# Allegro board BeagleBoard-X15_RevA2.brd (continued)
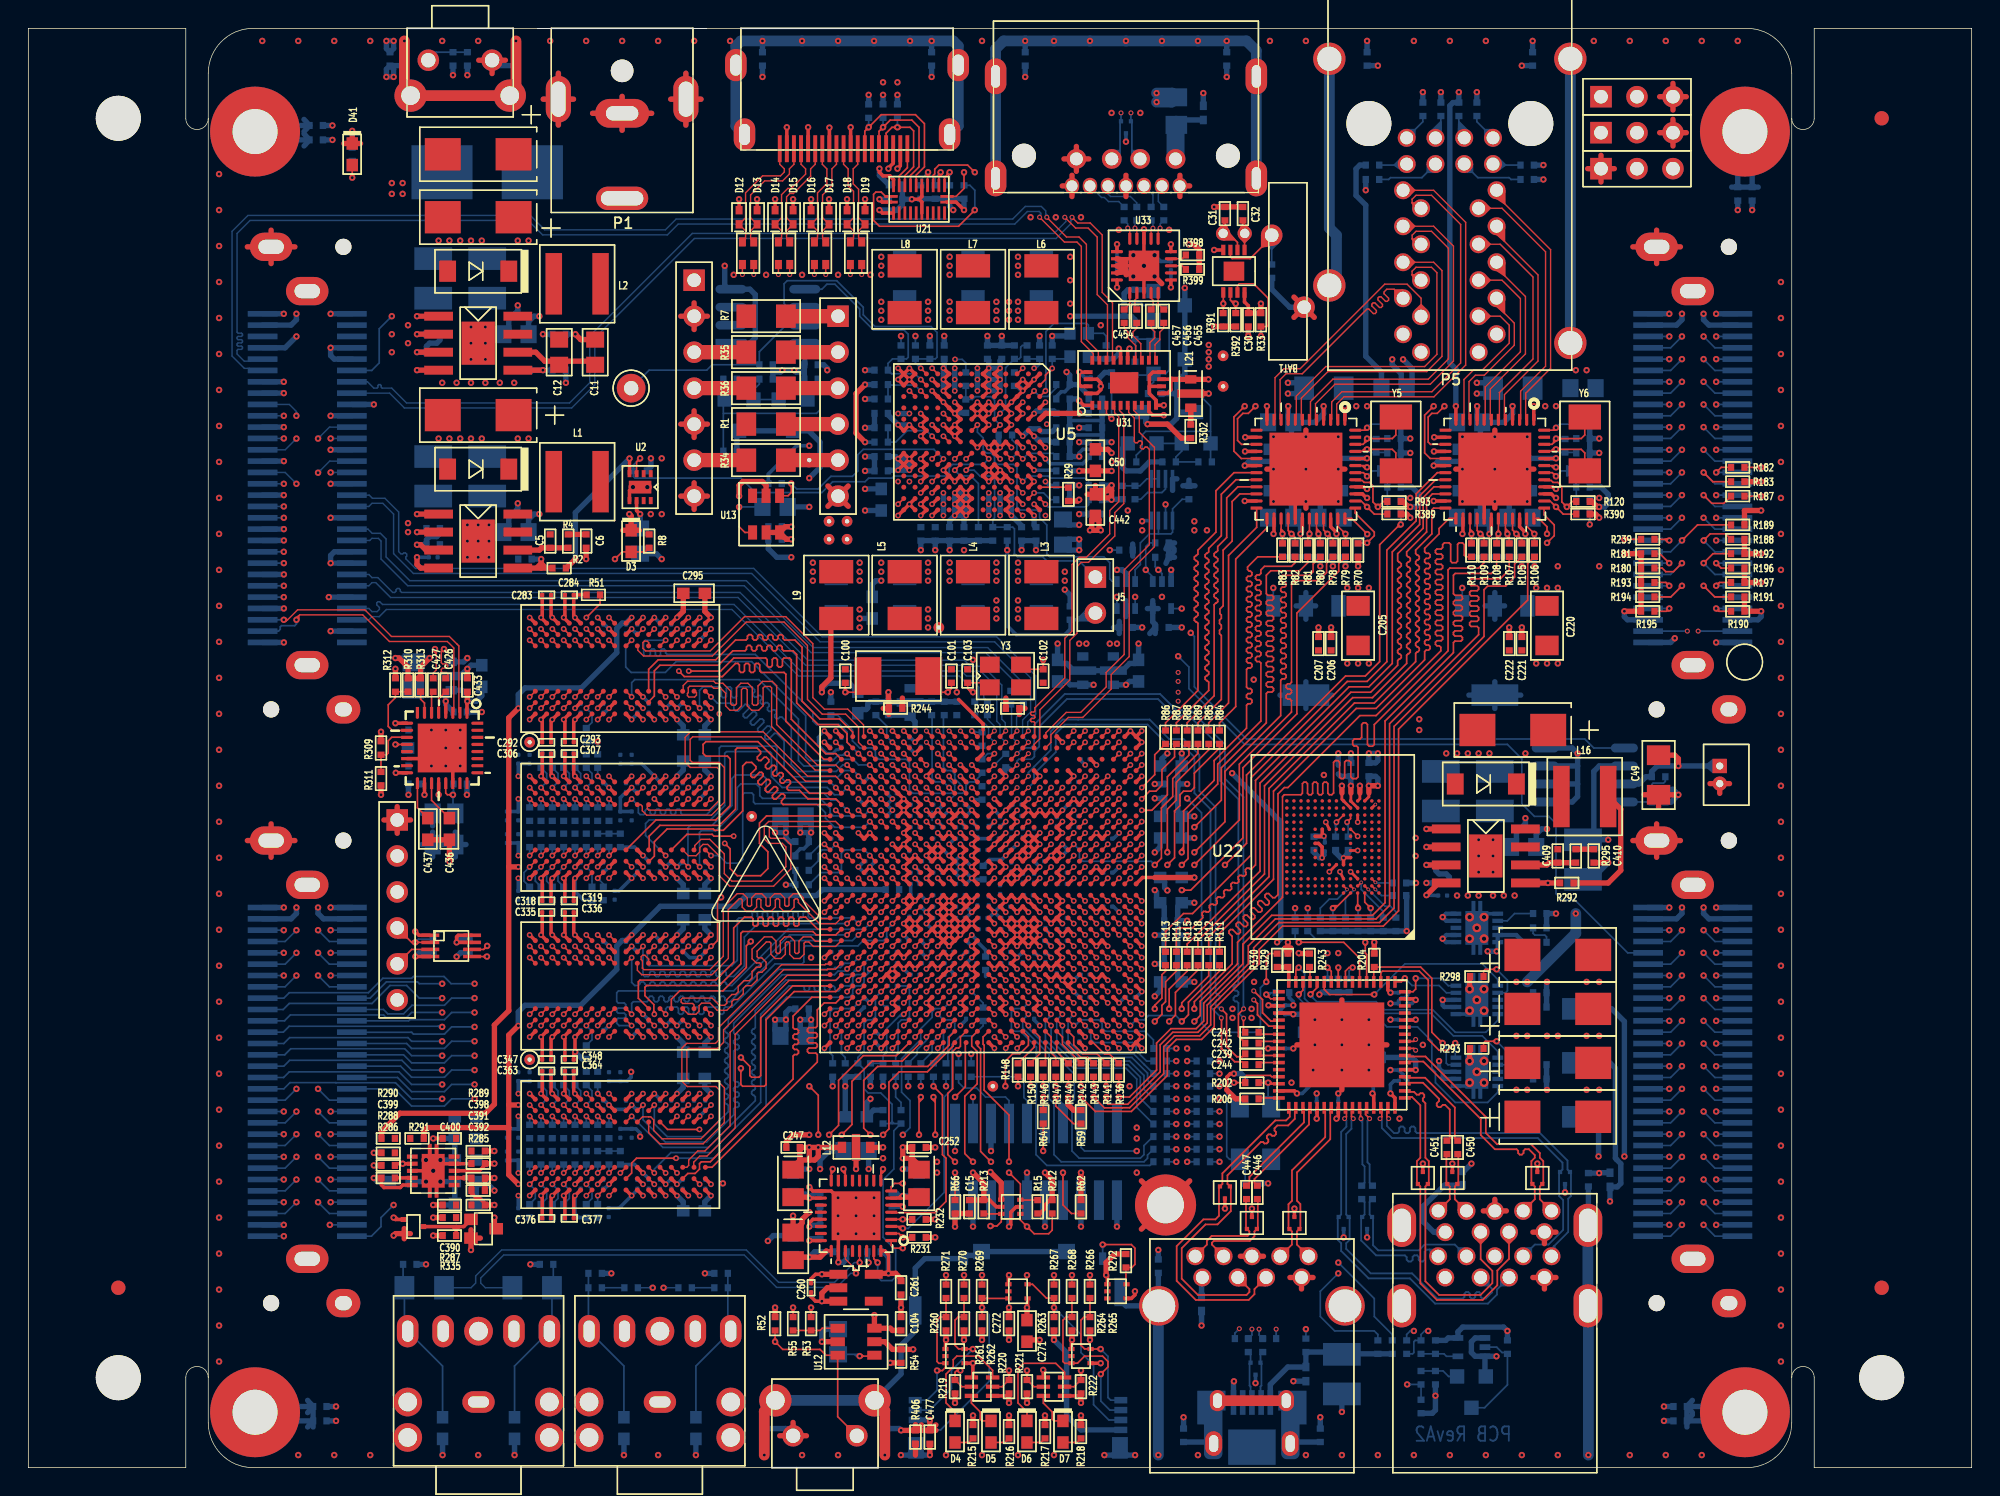
[diagram p0: board, top side]
## Nets (continued)
VOUT1_RD12: R136.1 U11.A5(VOUT1_D12)
VOUT1_RD13: R138.1 U11.C6(VOUT1_D13)
VOUT1_RD14: R139.1 U11.C8(VOUT1_D14)
VOUT1_RD15: R140.1 U11.C7(VOUT1_D15)
VOUT1_RD16: R141.1 U11.B7(VOUT1_D16)
VOUT1_RD17: R142.1 U11.B8(VOUT1_D17)
VOUT1_RD18: R143.1 U11.A7(VOUT1_D18)
VOUT1_RD19: R144.1 U11.A8(VOUT1_D19)
VOUT1_RD20: R145.1 U11.C9(VOUT1_D20)
VOUT1_RD21: R146.1 U11.A9(VOUT1_D21)
VOUT1_RD22: R147.1 U11.B9(VOUT1_D22)
VOUT1_RD23: R148.1 U11.A10(VOUT1_D23)
VOUT1_RDCLK: R149.1 U11.D11(VOUT1_CLK)
VOUT1_RDE: R150.1 U11.B10(VOUT1_DE)
VOUT1_RHSYNC: R152.1 U11.C11(VOUT1_HSYNC)
VOUT1_RVSYNC: R153.1 U11.E11(VOUT1_VSYNC)
VOUT1_VSYNC: P18.28 R153.2
VTT: C296.1 C297.1 C298.1 C299.1 C313.1 C314.1 C328.1 C329.1 C330.1 C331.1 C332.1 C333.1 C342.1 C343.1 C351.1 C352.1 C353.1 C358.1 C362.1 C370.1 C371.1 C372.1 C379.1 C380.1 C395.1 C396.1 C397.1 C398.1 Q6.3(DRAIN) R279.2 R282.2 R289.1 R336.2 R337.2 R338.2 R339.2 R340.2 R341.2 R342.2 R343.2 R344.2 R345.2 R346.2 R347.2 R348.2 R349.2 R350.2 R351.2 R352.2 R353.2 R354.2 R355.2 R356.2 R357.2 R358.2 R359.2 R360.2 R361.2 R362.2 R363.2 R364.2 R365.2 R366.2 R367.2 R368.2 R369.2 R370.2 R371.2 R372.2 R373.2 R374.2 R375.2 R376.2 R377.2 R378.2 R379.2 R380.2 R381.2 R382.2 R383.2 U27.3(VO)
VTT_PGOOD: R286.2 U27.9(PGOOD)
VTT_REFOUT: C400.1 R289.2 U27.5(VOSNS)
VTT_TRAN: Q5.3(DRAIN) Q6.1(GATE) R335.2
VTT_VOSNS: C399.1 R290.1 R291.1 U27.6(REFOUT)
VUSB_3V3: C18.2 C236.1 C237.1 C238.1 U5.B9(LDOUSB_OUT) U11.AA12(VDDA33V_USB1) U11.Y12(VDDA33V_USB2)
WAKEUP1: R50.1 U11.AC17(WAKEUP1)
WAKEUP2: R51.1 U11.AB16(WAKEUP2)
ZQ1_HI: R275.1 U24.L8(ZQ)
ZQ1_LO: R276.1 U23.L8(ZQ)
ZQ2_HI: R278.1 U26.L8(ZQ)
ZQ2_LO: R277.1 U25.L8(ZQ)
N23410845: C98.2 U10.4(Y) U11.E23(RESETN)
N23730763: C197.1 C198.1 C199.1 C200.1 C203.1 L10.3 U11.M14(VDDA_ABE_PER) U11.N11(VDDA_DEBUG) U11.N12(VDDA_DSP) U11.N16(VDDA_MPU) U11.P14(VDDA_VIDEO) U11.P15(VDDA_GMAC_CORE) U11.P16(VDDA_DDR) U11.R14(VDDA_GPU) U11.R17(VDDA_IVA)
N24165486: C201.1 C202.1 C204.1 L11.1 U11.V13(VDDA_SATA) U11.W12(VDDA_USB3)
N26024435: C497.1 C498.1 C499.1 L24.1 U11.AA16(VDDA_PCIE1) U11.AA17(VDDA_PCIE0) U11.W14(VDDA_PCIE) U11.Y17(VDDA_HDMI)
N28155188: TP6.1 U11.K14(RSVD4)
N28613451: R318.2 R319.2 U5.E6(NRESWARM)
N28614009: R322.2 R323.2 U5.E5(NSLEEP)
N28826254: R398.2 U33.9(PE1)
N28826261: R399.2 U33.8(PE2)
N29245750: R422.1 U11.AE14(RTC_OSC_XI_CLKIN32)
N29286052: R405.2 U9.3(B) U34.1(2A) U34.3(2Y)
N29286254: C476.1 U34.7(2Y)
N29286257: C476.2 R404.1 U34.5(2A) U34.6(2B)
N29321384: C495.1 R31.2 R409.1
N29512994: J3.2 R239.2
N29513031: J4.2 R182.2
N29513057: J6.2 R187.2
N29735394: R328.1 U17.41(PWRCTL_POL)
N29868563: Q7.1(G) R409.2 R410.1
N29882506: Q7.3(D) R408.2 U42.2(A)
N29907779: R413.1 R415.2 U42.4(Y)
N29975844: C496.1 U5.C1(OSC16MCAP)
N30273551: R419.2 R420.1 R429.2 U35.1(REF)
N30284852: Q8.1(BASE) R418.2 R429.1 U35.2(CATHODE)
N30391816: Q9.1(BASE) R423.2 R430.1 U43.2(CATHODE)
N30391875: R424.2 R425.1 R430.2 U43.1(REF)
N30392108: Q10.1(BASE) R427.2 R431.1 U44.2(CATHODE)
N30392176: R426.2 R428.1 R431.2 U44.1(REF)

Pads without a net: D20 2; D21 2; D22 2; D23 2 3; NOREF#10 1; NOREF#17 1; NOREF#24 1; NOREF#28 1; NOREF#29 1; NOREF#30 1; P4 6 17 18 19; P5 9 19; P7 4; P8 4; P9 4; P10 2 3 6; P11 14; P18 58; P19 2 3 30 33; U5 B1 B4 C9 C11 D1 D2 D3 J8 K4 K5 K10 L4 M4 M7 M11 N3 N4 N7 N11; U7 8 13 15 23 24 25 26 27 28 29 30 31 32; U11 A27 AA1 AA2 AB1 AB2 AC1 AC2 AD3 AD8 AD9 AD14 AE3 AE5 AE6 AE8 AE9 AF4 AF6 AF8 AF9 AG2 AG8 B28 V23 V24 V25 V26 W19 W22 W23 Y5 Y10 Y25 Y26; U13 3; U14 13 47; U15 13 47; U16 3; U17 26 27 29 30 39 49 60; U18 10 11 12 13 15 19 20 22 23 28 30; U19 4; U21 14 15 16 17 19 20 21 22; U22 A1 A2 A6 A7 A8 A9 A10 A11 A12 A13 A14 B1 B7 B8 B9 B10 B11 B12 B13 B14 C1 C3 C5 C7 C8 C9 C10 C11 C12 C13 C14 D1 D2 D3 D4 D12 D13 D14 E1 E2 E3 E5 E8 E9 E10 E12 E13 E14 F1 F2 F3 F10 F12 F13 F14 G1 G2 G3 G10 G12 G13 G14 H1 H2 H3 H5 H12 H13 H14 J1 J2 J3 J5 J12 J13 J14 K1 K2 K3 K6 K7 K10 K12 K13 K14 L1 L2 L3 L12 L13 L14 M1 M2 M3 M7 M8 M9 M10 M11 M12 M13 M14 N1 N3 N6 N7 N8 N9 N10 N11 N12 N13 N14 P1 P2 P7 P8 P9 P10 P11 P12 P13 P14; U23 J1 J9 L1 L9; U24 J1 J9 L1 L9; U25 J1 J9 L1 L9; U26 J1 J9 L1 L9; U31 2 8; U33 7

## Via types
v1: diameter 0.406, hole 0.203, TOP to BOTTOM, 1187 vias
v2: diameter 0.457, hole 0.203, TOP to BOTTOM, 1335 vias
v3: diameter 0.356, hole 0.203, TOP to BOTTOM, 67 vias
v4: diameter 0.254, hole 0.152, TOP to BOTTOM, 7 vias
v5: diameter 0.635, hole 0.305, TOP to BOTTOM, 27 vias

## Routing (per net, layer and track width the routed paths; a pad name or vN(x,y) marks a point on that pad's centre or on a via; arc(x,y) is an arc through that point)
3V3_CDC: length 3.3
  TOP w0.254: U7.9 v2(25.91,52.55) ; U7.20 v2(28.96,47.5) ; U7.18 v2(27.96,47.5) ; U7.16 v2(25.94,49.05)
3V3_RC: length 2.2
  TOP w0.381: v2(38.61,80.01) 38.99,79.63 C11.2
  BOTTOM w0.381: R12.1 v2(38.61,80.01)
5V0: length 66.1
  TOP w0.254: U21.10 61.07,90.93 60.81,91.19 60.33,91.19 60.07,91.44 v2(60.07,91.69) ; U2.4 v2(42.43,71.24)
  TOP w0.381: R218.1 v2(74.3,3.68) ; R216.1 v2(69.22,3.68) ; R2.1 37.97,63.5 v2(38.61,64.14) ; R217.1 v2(71.75,3.68) ; R215.1 v2(66.68,3.68)
  TOP w1.016: P3.4 R1.2
  SIG_L5 w0.381: P3.4 57.87,72.94 ; P3.4 56.43,72.94 ; P3.4 56.43,74.38 ; P3.4 57.87,74.38
  PWR_L6 w0.381: P16.B2 117.47,57.83 ; P16.B2 119.15,56.65 ; P16.B2 117.47,55.47 ; P16.B2 115.8,56.65 ; 18.01,56.65 19.69,56.65 ; 19.69,56.65 19.69,57.83 ; 19.69,56.65 21.36,56.65 ; 19.69,56.65 19.69,55.47 ; 18.01,14.74 19.69,14.74 ; 19.69,14.74 21.36,14.74 ; 19.69,14.74 19.69,13.56 ; 19.69,14.74 19.69,15.92 ; P18.B2 119.15,14.74 ; P18.B2 117.47,15.92 ; P18.B2 115.8,14.74 ; P18.B2 117.47,13.56
  SIG_L8 w0.381: P3.4 56.26,72.77 43.56,72.77 42.43,71.64 v2(42.43,71.24)
  BOTTOM w0.254: C17.2 72.05,69.34 v1(71.79,69.61)
  BOTTOM w0.381: v2(38.61,64.14) 38.61,67.41 v2(42.43,71.24) ; R241.1 v2(60.33,96.9) ; R242.2 v2(61.34,96.9) ; C20.2 v2(74.17,73.41) ; C264.1 60.07,91.22 v2(60.07,91.69)
  vias: v2(60.33,97.79) v2(61.34,97.79)
5V0_COMP: length 3.6
  TOP w0.381: R4.1 C5.2 36.23,64.93 36.07,64.77 U1.6
5V0_RC: length 1.3
  TOP w0.381: R4.2 C6.1
5V0_SNS: length 3.7
  TOP w0.381: v2(36.2,64.14) 36.2,63.5 ; 36.2,63.5 U1.5 ; 36.2,63.5 R2.2
  BOTTOM w0.381: v2(36.2,64.14) R5.2
5V0_TAP: length 3.8
  TOP w0.381: 46.99,72.72 P2.5 ; P2.5 46.99,74.6 ; P2.5 46.05,73.66 ; P2.5 47.93,73.66
  vias: v2(34.54,72.64) v2(35.31,72.64)
5V_FAN: length 9.5
  TOP w0.381: v2(116.46,49.53) 116.46,50.04 116.2,50.29 C49.1
  BOTTOM w0.381: U32.3 113.67,48.26 114.17,48.77 R396.1 114.59,49.15 114.97,49.53 v2(116.46,49.53) J1.1
12V: length 24.6
  TOP w0.381: U3.2 v2(27.43,80.01) ; U1.2 v2(27.43,66.04) ; U28.2 v2(98.68,43.81)
  PWR_L6 w0.381: 117.47,81.87 P16.B1 ; P16.B1 117.47,84.23 ; P16.B1 115.8,83.05 ; P16.B1 119.15,83.05 ; P2.1 47.93,84.76 ; P2.1 46.05,82.88 ; P2.1 47.93,82.88 ; P2.1 46.05,84.76
  BOTTOM w0.381: 110.11,44.32 110.49,44.7 110.49,49.15 110.87,49.53 U32.2 ; 110.11,44.32 v2(111.51,44.32) ; 110.11,44.32 C445.1
  vias: v2(25.65,90.68) v2(25.65,89.92) v2(26.42,90.68) v2(26.42,89.92) v2(26.8,80.64) v2(26.8,79.38) v2(26.8,66.67) v2(26.8,66.04) v2(97.92,44.45) v2(97.92,43.18)
GND: length 1509.3
  TOP w0.203: 91.83,45.06 91.83,45.07 v1(91.58,45.57) ; U22.N5 U22.P6 92.71,47.18 92.71,47.62 ; U22.P4 93.98,47.22 93.98,47.62 ; v1(91.83,42.06) U22.E7 ; U22.N2 v4(95.07,46.81) ; v1(93.32,42.06) U22.C4 ; 93.33,43.57 93.82,43.57 v1(93.83,43.57)
  TOP w0.254: v1(44.98,25.6) U25.E2 ; C376.2 36.89,19.11 v1(36.98,19.2) U25.P9 ; v1(35.38,37.6) U26.T1 ; v2(62.36,89.53) 62.87,89.53 ; 62.87,89.53 63.06,89.73 63.06,90.51 ; 62.87,89.53 63.06,89.33 63.06,88.56 ; U5.M2 v1(62.19,76.81) ; v1(62.19,76.81) U5.N1 ; v1(62.19,76.81) U5.M1 v1(62.19,77.61) U5.N1 ; v1(62.19,76.81) U5.N2 v1(61.39,76.81) U5.N1 ; U11.E19 v1(63.39,32.81) U11.D19 v1(63.39,32.01) ; D38.3 v2(106.5,21.46) ; U5.F5 67.39,74.01 v1(66.99,74.41) ; U5.F5 v1(67.79,74.41) ; U5.F5 v1(67.79,73.61) U5.F6 ; U11.N14 v1(68.19,39.21) ; v1(67.79,70.41) U5.F10 v1(67.79,69.61) 67.79,69.61 U5.E10 ; v1(67.79,70.41) U5.F9 ; v1(67.79,70.41) 68.19,70.81 U5.E9 v1(68.59,70.41) ; v1(67.79,70.41) U5.E10 ; v1(43.38,19.2) U25.G9 ; v1(43.38,41.61) U24.G9 ; v1(68.59,72.01) U5.E7 67.79,72.01 v1(67.79,72.01) ; v1(68.59,72.01) 68.59,72.01 U5.D7 v1(69.39,72.01) ; v1(68.59,72.01) U5.E8 ; v2(78.11,12.45) 78.11,12.2 77.85,11.95 D23.4 ; U26.P1 v1(36.98,37.6) 36.89,37.69 C335.2 ; U25.M9 v1(38.58,19.2) 38.5,19.11 C377.2 ; U2.5 42.43,68.97 v5(42.67,69.22) ; D18.2 v2(57.79,89.53) ; v1(67.79,74.41) U5.E4 ; v1(67.79,74.41) U5.F4 ; U5.E4 v1(68.59,75.21) U5.D4 ; U5.E4 67.79,75.21 v1(67.79,75.21) U5.F4 ; v1(48.18,19.2) U25.A9 ; v1(45.78,53.61) U23.D8 ; v2(71.63,6.9) 71.63,6.38 Q4.1 ; U23.P9 v1(36.98,52.81) 36.89,52.72 C292.2 ; U11.A1 v1(77.79,29.61) U11.A2 ; U11.A1 v1(78.59,29.61) ; U11.A1 v1(78.59,30.41) U11.B1 ; v1(70.59,47.21) U11.AB11 v1(70.59,46.41) ; v1(65.39,72.81) U5.J6 ; v1(65.39,72.81) U5.H6 v1(65.39,73.61) ; v1(65.39,72.81) U5.H7 ; U5.J6 65.39,73.61 v1(65.39,73.61) ; U5.J6 v1(64.59,73.61) ; U11.AA15 v1(66.59,46.41) ; U11.AD13 v1(68.99,48.81) U11.AE13 ; D14.2 v2(52.7,89.53) ; U11.N25 v1(59.39,39.21) U11.N24 ; v1(40.98,20) U25.J8 ; U5.D4 v1(69.39,74.41) U5.D5 v1(69.39,73.61) U5.D6 ; U5.D4 v1(69.39,75.21) U5.C3 v1(70.19,76.01) ; v1(66.59,36.01) U11.J15 v1(66.59,36.81) U11.K15 ; U11.AD19 v1(63.39,48.81) U11.AE19 ; v1(68.59,70.41) U5.D10 ; v1(68.59,70.41) U5.E10 ; U5.D10 68.99,70.01 v1(68.59,69.61) U5.E10 ; U5.D10 v1(69.39,69.61) ; D12.2 v2(50.16,89.53) ; U31.1 74.49,74.99 v2(74.17,75.31) ; U5.B10 v1(70.99,69.61) 70.59,69.21 U5.B11 ; U11.T11 v1(70.59,42.41) U11.T10 v1(71.39,42.41) ; U11.T11 v1(69.79,42.41) U11.T12 ; U11.T11 v1(69.79,41.61) ; U7.14 27.93,50.05 v2(28.45,49.53) ; Q3.4 69.04,5.06 R220.2 ; P11.2 v2(53.54,94.61) ; v1(44.18,52.81) U23.F9 ; v1(70.99,71.21) U5.B8 ; v1(44.98,26.4) U25.E1 ; U23.M1 v1(38.58,60.01) 38.5,60.1 C284.2 R51.2 ; U11.J12 v1(69.79,36.01) U11.H12 v1(69.79,35.21) ; v1(44.98,20) U25.E8 ; U20.1 27.57,37.58 v2(27.3,37.85) ; v1(66.99,74.41) U5.G4 v1(66.99,75.21) U5.F4 ; v1(66.99,74.41) U5.F4 ; v1(66.99,74.41) U5.G5 ; v1(64.99,44.01) U11.V17 v1(64.99,43.21) U11.U17 v1(64.99,42.41) ; P11.17 61.04,92.08 60.71,91.74 v2(60.71,91.69) ; U21.13 60.28,88.56 v2(60.07,88.77) ; v1(91.31,43.05) 91.31,43.81 91.06,44.06 U22.H10 ; v1(62.99,69.61) U5.L10 v1(62.99,70.41) U5.L9 v1(62.99,71.21) U5.L8 ; C336.2 38.5,37.69 v1(38.58,37.6) U26.M1 ; U11.AH1 v1(78.59,51.21) U11.AG1 ; U11.AH1 v1(77.79,52.01) U11.AH2 ; U11.AH1 v1(78.59,52.01) ; D27.3 v2(84.45,18.29) ; v1(44.18,19.2) U25.F9 ; D21.4 70.53,11.34 v2(70.48,11.3) ; v1(43.38,37.6) U26.G1 ; U11.R1 78.64,41.66 79.5,41.66 ; U11.AD24 v1(59.39,48.81) ; v1(62.19,68.01) U5.N13 v1(61.39,67.21) ; v1(62.19,68.01) U5.M13 ; v1(62.19,68.01) U5.M12 ; v1(71.79,72.01) U5.A7 ; U11.AH28 v1(56.19,52.01) ; U11.AE10 v1(71.39,48.81) U11.AD10 ; v1(40.98,59.21) U23.J2 ; v1(44.98,53.61) U23.E8 ; U11.G9 v1(72.19,34.41) U11.G8 v1(72.99,34.41) ; U23.P1 v1(36.98,60.01) 36.89,60.1 C283.2 ; C364.2 38.5,26.49 v1(38.58,26.4) U25.M1 ; v1(40.98,25.6) U25.J2 ; v1(43.38,48.81) U24.G1 ; v1(44.98,37.6) U26.E1 ; U11.T17 v1(64.99,42.41) ; v1(64.99,42.41) U11.T18 v1(64.19,42.41) ; v5(78.74,84.84) U33.18 ; v5(78.74,84.84) U33.3 ; v5(78.74,84.84) U33.13 v2(78.74,87.42) ; v1(43.38,53.61) U23.G8 ; v1(45.78,60.01) U23.D1 ; v1(43.38,60.01) U23.G1 ; D25.3 v2(89.36,18.29) ; U11.A14 v1(68.19,29.61) ; v1(72.99,34.41) U11.G7 v1(73.79,34.41) U11.F7 ; v1(72.99,34.41) U11.F7 ; D33.3 v2(98.42,21.46) ; U14.29 89.42,69.73 v2(90.17,70.48) ; U5.B2 v1(70.99,76.81) U5.A1 ; U5.B2 70.19,76.81 v1(70.19,76.81) U5.C2 69.79,76.41 v1(70.19,76.01) ; U5.B2 v1(70.19,76.01) ; D20.4 v2(66.67,7.37) 66.67,6.47 Q3.1 ; U11.AH8 v1(72.99,51.21) ; v1(47.38,36) U26.B3 ; U11.K5 v1(75.39,36.81) U11.K4 v1(76.19,36.81) ; U11.F1 v1(78.59,33.61) ; v1(63.79,76.01) U5.K3 v1(64.59,75.21) U5.J4 v1(65.39,74.41) ; v1(65.39,74.41) U5.H5 v1(65.39,73.61) ; v1(65.39,74.41) U5.H4 v1(65.39,75.21) ; U5.G7 v1(66.99,72.01) U5.F7 v1(67.79,72.01) ; U5.J9 v1(64.59,70.41) U5.J10 ; U5.E8 68.19,71.61 v1(67.79,72.01) ; U5.E8 v1(68.59,71.21) ; v1(35.38,41.61) U24.T9 ; v1(71.79,75.21) U5.A4 ; C318.1 36.89,41.52 v1(36.98,41.61) U24.P9 ; v1(45.78,20) U25.D8 ; U18.6 61.61,18.53 v2(61.72,18.41) ; D17.2 v2(56.52,89.53) ; C400.2 v2(28.58,23.24) ; v1(44.18,41.61) U24.F9 ; C293.2 38.5,52.72 v1(38.58,52.81) U23.M9 ; U26.M9 v1(38.58,30.4) 38.58,29.36 v2(38.6,29.35) 38.5,29.25 C348.2 ; U11.R15 v1(66.59,41.61) U11.T15 v1(66.59,42.41) U11.U15 v1(66.59,43.21) U11.V15 v1(66.59,44.01) U11.W15 v1(66.59,44.81) ; v1(63.39,38.41) U11.M19 v1(63.39,39.21) U11.N19 ; U11.T12 v1(68.99,41.61) ; U11.T12 v1(69.79,41.61) ; v1(44.98,42.41) U24.E8 ; 77.09,78.17 77.09,78.86 v2(76.96,78.99) ; U5.C12 v1(70.19,68.01) ; v5(77.99,84.09) 77.74,84.34 U33.19 ; U4.2 69.72,18.41 69.34,18.03 69.34,17.14 v2(69.22,17.02) ; v1(58.59,44.81) U11.W25 v1(59.39,44.81) U11.W24 ; v1(62.59,47.21) U11.AB20 v1(62.59,46.41) U11.AA20 ; R222.2 74.12,5.06 Q4.4 ; v5(77.99,85.59) 77.74,85.34 U33.17 ; 79.12,76.33 U31.12 ; 79.12,76.33 79.12,75.82 79.59,75.35 U31.10 v2(80.14,74.99) ; 79.12,76.33 79.12,77.09 79.36,77.33 U31.14 ; v1(45.78,26.4) U25.D1 ; v1(69.79,41.61) U11.R12 v1(68.99,41.61) ; U15.29 102.75,69.73 v2(103.5,70.48) ; U11.AD1 v1(78.59,48.81) ; v1(44.98,36.8) U26.E2 ; U31.25 74.18,77.33 v2(74.17,77.34) 74.17,76.45 74.29,76.33 U31.27 ; v1(47.38,30.4) U26.B9 ; v1(44.98,60.01) U23.E1 ; U26.P9 v1(36.98,30.4) 36.89,30.32 C347.2 ; v1(45.78,42.41) U24.D8 ; U11.U14 v1(68.19,42.41) U11.T14 ; v1(72.99,46.41) U11.AA8 v1(72.19,46.41) U11.AA9 v1(71.39,46.41) U11.AA10 v1(70.59,46.41) ; v1(47.38,19.2) U25.B9 ; v1(45.78,31.2) U26.D8 ; v1(44.98,48.01) U24.E2 ; U11.U20 v1(62.59,43.21) U11.U21 ; U7.22 29.96,49.26 30.23,49.53 v2(30.48,49.53) ; v1(44.98,59.21) U23.E2 ; v1(48.18,30.4) U26.A9 ; D15.2 v2(53.98,89.53) ; U11.U21 v1(61.79,43.21) ; U11.U21 v1(61.79,42.41) U11.T21 v1(61.79,41.61) U11.R21 ; v2(58.04,94.61) P11.11 ; U11.F7 v1(73.79,33.61) ; v2(85.09,27.81) 84.84,27.81 84.58,27.56 84.58,26.67 ; U5.N1 v1(61.39,77.61) ; v1(62.99,74.41) U5.L5 v1(62.99,73.61) U5.L6 v1(62.99,72.81) U5.L7 ; U11.K1 v1(78.59,36.81) ; U11.J28 v1(56.19,36.01) ; v1(47.38,52.81) U23.B9 ; D31.3 v2(100.51,21.46) ; U27.8 v5(28.58,20.95) ; U11.A6 v1(74.59,29.61) ; v1(40.98,42.41) U24.J8 ; v1(70.59,46.41) U11.AA11 ; v1(40.98,31.2) U26.J8 ; v1(44.18,30.4) U26.F9 ; U24.M1 v1(38.58,48.81) 38.5,48.89 C307.2 ; D19.2 v2(59.05,89.53) ; v1(64.59,69.61) U5.J10 ; U5.J10 65.39,69.61 v1(65.39,69.61) U5.H10 65.79,70.01 v1(66.19,69.61) U5.G10 ; D26.3 v2(86.36,18.29) ; v1(47.38,58.41) U23.B3 ; U11.A28 v1(56.19,29.61) ; D22.4 v2(75.68,7.37) ; v1(68.99,41.61) U11.R13 ; v1(43.38,52.81) U23.G9 ; v1(40.98,48.01) U24.J2 ; U11.W1 v1(78.59,44.81) ; v1(43.38,30.4) U26.G9 ; v1(45.78,37.6) U26.D1 ; v1(44.98,48.81) U24.E1 ; U11.AA14 v1(68.19,46.41) U11.AB14 ; U11.AH20 v1(62.59,51.21) ; U25.P1 v1(36.98,26.4) 36.89,26.49 C363.2 ; v1(45.78,48.81) U24.D1 ; v1(47.38,41.61) U24.B9 ; U24.M9 v1(38.58,41.61) 38.5,41.52 C319.2 ; C306.2 36.89,48.89 v1(36.98,48.81) U24.P1 ; v1(47.38,47.21) U24.B3 ; v1(40.98,53.61) U23.J8 ; U11.W28 v1(56.19,44.81) ; v1(35.38,19.2) U25.T9 ; U11.K25 v1(59.39,36.81) U11.K24 ; P11.8 v2(56.54,94.59) ; v1(35.38,26.4) U25.T1 ; v1(43.38,42.41) U24.G8 ; v1(40.98,36.8) U26.J2 ; v1(43.38,26.4) U25.G1 ; v2(55.04,94.61) P11.5 ; v1(43.38,20) U25.G8 ; v1(68.99,37.61) U11.L13 v1(68.19,37.61) U11.L14 ; v1(35.38,30.4) U26.T9 ; v2(83.69,85.95) U6.4 ; v1(68.99,32.01) U11.D13 v1(68.99,32.81) U11.E13 ; v1(48.18,52.81) U23.A9 ; v1(47.38,24.8) U25.B3 ; v1(47.38,60.01) U23.B1 ; v5(29.08,21.72) 29.34,21.46 U27.4 31.27,21.46 C398.2 ; v1(47.38,37.6) U26.B1 ; v1(43.38,31.2) U26.G8 ; C260.2 55.25,12.06 55.56,11.75 v2(56.01,11.75) ; U11.A23 v1(60.19,29.61) ; U20.4 v2(27.32,36.08) ; v1(48.18,41.61) U24.A9 ; U5.A13 v1(70.99,68.01) ; v1(35.38,48.81) U24.T1 ; v1(47.38,48.81) U24.B1 ; U18.21 55.38,17.53 55.12,17.27 v2(55.12,17.02) ; D13.2 v2(51.44,89.53) ; v1(47.38,26.4) U25.B1 ; v1(35.38,52.81) U23.T9 ; v1(35.38,60.01) U23.T1 ; U11.N15 v1(66.59,39.21) ; U11.P28 v1(56.19,40.01) ; D16.2 v2(55.25,89.53) ; v1(44.98,31.2) U26.E8
  TOP w0.381: 119.38,47.6 J1.2 ; J1.2 118.69,48.29 ; J1.2 120.07,48.29 ; R244.2 60.71,53.63 v2(60.71,54.74) ; R244.2 60.74,54.02 ; R244.2 60.34,53.59 ; R244.2 60.74,53.17 ; Q6.2 31.24,16.79 ; Q6.2 v2(31.24,15.37) ; Q6.2 31.9,16.21 ; v2(74.17,70.36) C50.2 v2(76.45,70.36) ; C252.2 v2(64.01,22.61) ; v2(122.3,60.45) R190.2 R191.2 ; R188.2 R192.2 v2(122.3,64.52) ; v2(67.9,20.87) 68.67,20.11 U4.4 ; v2(39.37,64.14) C6.2 ; MH5.1 81.97,20.25 ; MH5.1 78.56,20.25 ; MH5.1 78.56,16.84 ; v2(90.17,70.48) 92.93,70.48 ; v2(90.17,70.48) 90.17,67.73 ; v2(90.17,70.48) 87.41,70.48 ; v2(90.17,70.48) 90.17,73.24 ; P2.7 47.93,68.58 ; P2.7 46.05,68.58 ; P2.7 46.99,69.52 ; P2.7 46.99,67.64 ; C477.1 64.05,2.63 ; C477.1 R406.1 ; C477.1 64.05,3.02 ; C477.1 v2(63.63,3.36) ; P18.A2 116.6,44.26 ; P18.A2 114.92,45.44 ; P18.A2 114.92,43.09 ; P18.A2 113.25,44.26 ; U13.2 52.07,69.34 51.8,69.61 50.43,69.61 50.16,69.34 v2(50.16,68.58) ; 77.47,91.23 P6.8 77.47,89.73 ; 72.97,90.48 P6.5 ; P6.5 73.66,91.23 ; P6.5 73.66,89.73 ; v2(32.89,20.45) C391.2 C392.2 ; 77.44,85.19 U33.17 77.44,85.04 ; C261.2 v2(61.59,11.3) C104.2 ; 17.14,86.17 17.14,87.35 ; 17.14,86.17 17.14,85 ; 17.14,86.17 15.46,86.17 ; 17.14,86.17 18.81,86.17 ; 107.01,15.81 107.01,16.63 ; 107.01,16.63 106.19,16.63 ; 107.01,16.63 107.82,16.63 ; R287.1 v2(28.58,17.65) ; v2(70.48,11.3) C271.2 ; 22.28,93.47 D41.1 ; D41.1 v2(22.86,94.36) ; D41.1 23.44,93.47 ; 17.14,44.26 18.81,44.26 ; 17.14,44.26 15.46,44.26 ; 17.14,44.26 17.14,45.44 ; 17.14,44.26 17.14,43.09 ; 102.69,18.13 P15.16 ; P15.16 103.5,18.94 ; P15.16 104.32,18.13 ; v5(101.73,33.78) 101.73,34.64 R298.2 ; R311.2 v2(24.89,47.5) ; v2(112.65,64.52) R181.2 R180.2 R193.2 R194.2 R195.2 v2(112.65,60.45) ; 116.08,93.29 J4.3 ; J4.3 117.02,94.23 ; J4.3 116.08,95.17 ; J4.3 115.14,94.23 ; 26.53,16.16 Q5.2 ; Q5.2 26.53,16.87 ; Q5.2 25.92,16.52 v2(25.78,16.38) ; Q5.2 26.96,16.52 ; C410.2 v2(111.51,42.71) ; v2(83.69,88.99) C31.2 C32.2 ; 39.83,95.6 P1.2 ; P1.2 43.99,95.6 ; P1.2 41.91,96.79 ; P1.2 41.91,94.41 ; 115.06,46.62 C49.2 ; C49.2 114.06,47.5 ; C49.2 v2(116.46,47.5) ; 56.43,69.3 P3.6 ; P3.6 57.87,67.86 ; P3.6 57.87,69.3 ; P3.6 56.43,67.86 ; 25.1,45.72 P10.1 ; P10.1 26.04,46.66 ; P10.1 26.04,44.78 ; P10.1 26.97,45.72 ; C442.2 75.31,69.33 ; C442.2 75.56,68.96 76.07,68.96 ; C442.2 74.73,68.71 ; C442.2 75.9,68.71 ; C442.2 75.56,68.45 76.33,68.45 v2(76.45,68.33) 76.45,68.96 ; P6.11 81.97,90.48 ; P6.11 81.28,91.23 ; P6.11 81.28,89.73 ; R219.2 v2(65.41,4.57) ; 32.73,98.41 S1.1 ; S1.1 31.79,99.35 ; S1.1 33.67,99.35 ; 115.14,96.77 J3.3 ; J3.3 117.02,96.77 ; J3.3 116.08,95.83 ; J3.3 116.08,97.71 ; R220.2 v2(69.22,4.57) ; 90.04,81.92 90.76,81.2 ; 90.04,81.92 89.33,81.2 ; 90.04,81.92 89.33,82.63 ; v2(42.42,67.31) 42.55,67.18 D3.1 ; R406.1 v2(61.59,2.63) ; R406.1 63.04,3.02 ; R406.1 62.61,3.04 ; C390.2 v2(28.58,18.54) ; v2(103.5,70.48) 103.5,73.24 ; v2(103.5,70.48) 100.75,70.48 ; v2(103.5,70.48) 106.26,70.48 ; v2(103.5,70.48) 103.5,67.73 ; D3.1 43.13,66.17 ; D3.1 41.96,66.17 ; J6.1 111,92.63 ; J6.1 111.94,91.69 ; J6.1 111,90.75 ; J6.1 110.06,91.69 ; R231.2 v2(64.01,16.26) ; 70.35,53.59 R395.2 69.94,53.17 ; 77.44,84.63 U33.19 77.44,84.48 ; L12.2 v2(58.42,21.08) ; 92.71,26.67 v2(92.71,29.84) ; v2(92.71,29.84) 92.71,33.02 ; v2(92.71,29.84) 89.53,29.84 ; v2(92.71,29.84) 95.89,29.84 ; v2(93.98,48.13) 93.98,47.62 ; C295.2 46.23,60.45 v1(45.78,60.01) ; 73.97,91.51 P6.4 ; P6.4 73.09,92.38 ; P6.4 73.97,93.26 ; P6.4 74.85,92.38 ; 36.34,96.6 P1.MTG1 ; P1.MTG1 38.48,96.6 ; P1.MTG1 37.41,98.43 ; P1.MTG1 37.41,94.77 ; S2.1 53.98,3.19 ; S2.1 54.91,2.25 ; S2.1 53.04,2.25 ; U12.2 v2(56.01,8.89) ; C272.1 v2(69.22,11.3) ; 77.44,84.54 U33.18 77.44,85.13 ; 92.71,47.62 v2(92.71,48.13) ; P13.4 90.67,13.43 ; P13.4 89.86,12.61 ; P13.4 89.05,13.43 ; 46.41,94.77 P1.MTG2 ; P1.MTG2 47.48,96.6 ; P1.MTG2 45.34,96.6 ; P1.MTG2 46.41,98.43 ; P16.A2 116.6,86.17 ; P16.A2 114.92,87.35 ; P16.A2 114.92,85 ; P16.A2 113.25,86.17 ; R222.2 v2(74.3,4.57) ; 80,83.58 v5(78.74,84.84) 77.48,84.21 ; 76.45,68.96 v2(76.45,69.34) 76.07,68.96 ; 76.45,68.96 76.07,68.96 ; C399.2 v2(24.38,22.23) ; R221.2 v2(70.48,4.57) ; v2(29.72,42.8) C436.2 C437.2 ; C15.2 R66.2 v2(65.41,17.02) ; R232.2 v2(64.01,17.53) ; 106.19,13.43 107.01,13.43 ; 107.01,13.43 107.82,13.43 ; 107.01,13.43 107.01,12.61 ; v2(82.3,41.66) 79.5,41.66 ; R183.2 v2(122.3,69.6) ; v2(86.11,79.88) C30.2 ; R54.1 v2(60.83,7.4) ; v5(101.73,28.7) 101.73,29.56 R293.1 ; R329.1 89.11,36.68 ; R329.1 v2(88.9,37.08) ; R329.1 88.69,36.68 ; 87.17,14.92 P13.7 85.55,14.92 ; R312.2 v2(25.91,56.39) ; R206.1 85.22,26.04 84.58,26.67 ; U19.3 v2(56.01,11.75) 56.01,12.32 56.39,12.7 U19.2 ; C433.2 v2(30.99,56.39) ; L21.2 v2(83.31,75.82)
  GND_L2 w0.381: 36.34,96.6 P1.MTG1 ; P1.MTG1 37.41,94.77 ; P1.MTG1 37.41,98.43 ; P1.MTG1 38.48,96.6 ; P10.1 26.97,45.72 ; P10.1 26.04,44.78 ; P10.1 25.1,45.72 ; P10.1 26.04,46.66 ; P2.7 47.93,68.58 ; P2.7 46.99,67.64 ; P2.7 46.05,68.58 ; P2.7 46.99,69.52 ; 81.28,89.73 P6.11 ; P6.11 81.97,90.48 ; P6.11 81.28,91.23 ; P16.A2 116.6,86.17 ; P16.A2 113.25,86.17 ; P16.A2 114.92,85 ; P16.A2 114.92,87.35 ; 17.14,86.17 18.81,86.17 ; 17.14,86.17 17.14,87.35 ; 17.14,86.17 15.46,86.17 ; 17.14,86.17 17.14,85 ; 17.14,44.26 18.81,44.26 ; 17.14,44.26 15.46,44.26 ; 17.14,44.26 17.14,43.09 ; 17.14,44.26 17.14,45.44 ; P1.MTG2 46.41,98.43 ; P1.MTG2 47.48,96.6 ; P1.MTG2 46.41,94.77 ; P1.MTG2 45.34,96.6 ; 107.01,12.61 107.01,13.43 ; 107.01,13.43 107.82,13.43 ; 107.01,13.43 106.19,13.43 ; 107.01,16.63 107.82,16.63 ; 107.01,16.63 107.01,15.81 ; 107.01,16.63 106.19,16.63 ; P15.16 103.5,18.94 ; P15.16 102.69,18.13 ; P15.16 104.32,18.13 ; 77.47,89.73 P6.8 77.47,91.23 ; J1.2 120.07,48.29 ; J1.2 118.69,48.29 ; J1.2 119.38,47.6 ; 97.67,78.11 P5.20 ; P5.20 97.67,79.37 ; P5.20 98.93,79.37 ; P5.20 98.93,78.11 ; MH5.1 81.97,20.25 ; MH5.1 78.56,16.84 ; MH5.1 78.56,20.25 ; MH5.1 81.97,16.84 ; P5.10 102.99,78.11 ; P5.10 102.99,79.37 ; P5.10 101.73,79.37 ; P5.10 101.73,78.11 ; P15.7 104.13,15.55 ; P15.7 102.88,15.55 ; P15.7 102.88,14.3 ; P15.7 104.13,14.3 ; 56.43,69.3 P3.6 ; P3.6 57.87,67.86 ; P3.6 56.43,67.86 ; P3.6 57.87,69.3 ; 73.97,91.51 P6.4 ; P6.4 73.97,93.26 ; P6.4 74.85,92.38 ; P6.4 73.09,92.38 ; P1.2 41.91,96.79 ; P1.2 43.99,95.6 ; P1.2 39.83,95.6 ; P1.2 41.91,94.41 ; 32.73,98.41 S1.1 ; S1.1 31.79,99.35 ; S1.1 33.67,99.35 ; 110.06,91.69 J6.1 ; J6.1 111.94,91.69 ; J6.1 111,92.63 ; J6.1 111,90.75 ; P13.4 90.67,13.43 ; P13.4 89.86,12.61 ; P13.4 89.05,13.43 ; J4.3 117.02,94.23 ; J4.3 115.14,94.23 ; J4.3 116.08,95.17 ; J4.3 116.08,93.29 ; 89.33,82.63 90.04,81.92 ; 90.04,81.92 90.76,82.63 ; 90.04,81.92 89.33,81.2 ; 90.04,81.92 90.76,81.2 ; P18.A2 116.6,44.26 ; P18.A2 113.25,44.26 ; P18.A2 114.92,43.09 ; P18.A2 114.92,45.44 ; 53.04,2.25 S2.1 ; S2.1 54.91,2.25 ; S2.1 53.98,3.19 ; P13.7 86.36,15.74 ; P13.7 87.17,14.92 ; P13.7 85.55,14.92 ; J3.3 116.08,97.71 ; J3.3 115.14,96.77 ; J3.3 117.02,96.77 ; J3.3 116.08,95.83 ; 73.66,89.73 P6.5 ; P6.5 73.66,91.23 ; P6.5 72.97,90.48
  GND_L4 w0.381: 106.19,13.43 107.01,13.43 ; 107.01,13.43 107.82,13.43 ; 107.01,13.43 107.01,12.61 ; 89.33,82.63 90.04,81.92 ; 90.04,81.92 90.76,82.63 ; 90.04,81.92 90.76,81.2 ; 90.04,81.92 89.33,81.2 ; 107.01,16.63 107.82,16.63 ; 107.01,16.63 106.19,16.63 ; 107.01,16.63 107.01,15.81 ; 78.56,20.25 MH5.1 ; MH5.1 78.56,16.84 ; MH5.1 81.97,16.84 ; MH5.1 81.97,20.25 ; 111,90.75 J6.1 ; J6.1 110.06,91.69 ; J6.1 111.94,91.69 ; J6.1 111,92.63 ; P1.2 41.91,96.79 ; P1.2 43.99,95.6 ; P1.2 39.83,95.6 ; P1.2 41.91,94.41 ; P5.20 98.93,78.11 ; P5.20 97.67,79.37 ; P5.20 97.67,78.11 ; P5.20 98.93,79.37 ; 26.04,44.78 P10.1 ; P10.1 25.1,45.72 ; P10.1 26.97,45.72 ; P10.1 26.04,46.66 ; P1.MTG1 37.41,98.43 ; P1.MTG1 37.41,94.77 ; P1.MTG1 36.34,96.6 ; P1.MTG1 38.48,96.6 ; P2.7 47.93,68.58 ; P2.7 46.05,68.58 ; P2.7 46.99,69.52 ; P2.7 46.99,67.64 ; 116.08,93.29 J4.3 ; J4.3 116.08,95.17 ; J4.3 115.14,94.23 ; J4.3 117.02,94.23 ; P15.16 104.32,18.13 ; P15.16 103.5,18.94 ; P15.16 102.69,18.13 ; P1.MTG2 46.41,98.43 ; P1.MTG2 47.48,96.6 ; P1.MTG2 46.41,94.77 ; P1.MTG2 45.34,96.6 ; P6.11 81.97,90.48 ; P6.11 81.28,89.73 ; P6.11 81.28,91.23 ; 89.05,13.43 P13.4 ; P13.4 89.86,12.61 ; P13.4 90.67,13.43 ; 56.43,69.3 P3.6 ; P3.6 56.43,67.86 ; P3.6 57.87,67.86 ; P3.6 57.87,69.3 ; P6.4 74.85,92.38 ; P6.4 73.97,91.51 ; P6.4 73.09,92.38 ; P6.4 73.97,93.26 ; 17.14,44.26 18.81,44.26 ; 17.14,44.26 17.14,45.44 ; 17.14,44.26 15.46,44.26 ; 17.14,44.26 17.14,43.09 ; 114.92,43.09 P18.A2 ; P18.A2 114.92,45.44 ; P18.A2 113.25,44.26 ; P18.A2 116.6,44.26 ; 77.47,91.23 P6.8 77.47,89.73 ; 101.73,79.37 P5.10 ; P5.10 102.99,78.11 ; P5.10 102.99,79.37 ; P5.10 101.73,78.11 ; S1.1 33.67,99.35 ; S1.1 32.73,98.41 ; S1.1 31.79,99.35 ; 17.14,85 17.14,86.17 ; 17.14,86.17 15.46,86.17 ; 17.14,86.17 17.14,87.35 ; 17.14,86.17 18.81,86.17 ; 114.92,85 P16.A2 ; P16.A2 116.6,86.17 ; P16.A2 114.92,87.35 ; P16.A2 113.25,86.17 ; 115.14,96.77 J3.3 ; J3.3 116.08,95.83 ; J3.3 116.08,97.71 ; J3.3 117.02,96.77 ; P13.7 86.36,15.74 ; P13.7 85.55,14.92 ; P13.7 87.17,14.92 ; 119.38,47.6 J1.2 ; J1.2 118.69,48.29 ; J1.2 120.07,48.29 ; 102.88,14.3 P15.7 ; P15.7 104.13,15.55 ; P15.7 102.88,15.55 ; P15.7 104.13,14.3 ; 72.97,90.48 P6.5 ; P6.5 73.66,89.73 ; P6.5 73.66,91.23 ; S2.1 54.91,2.25 ; S2.1 53.04,2.25 ; S2.1 53.98,3.19